# Altium PCB PCB1.PcbDoc (part 3 of 5) (continued)
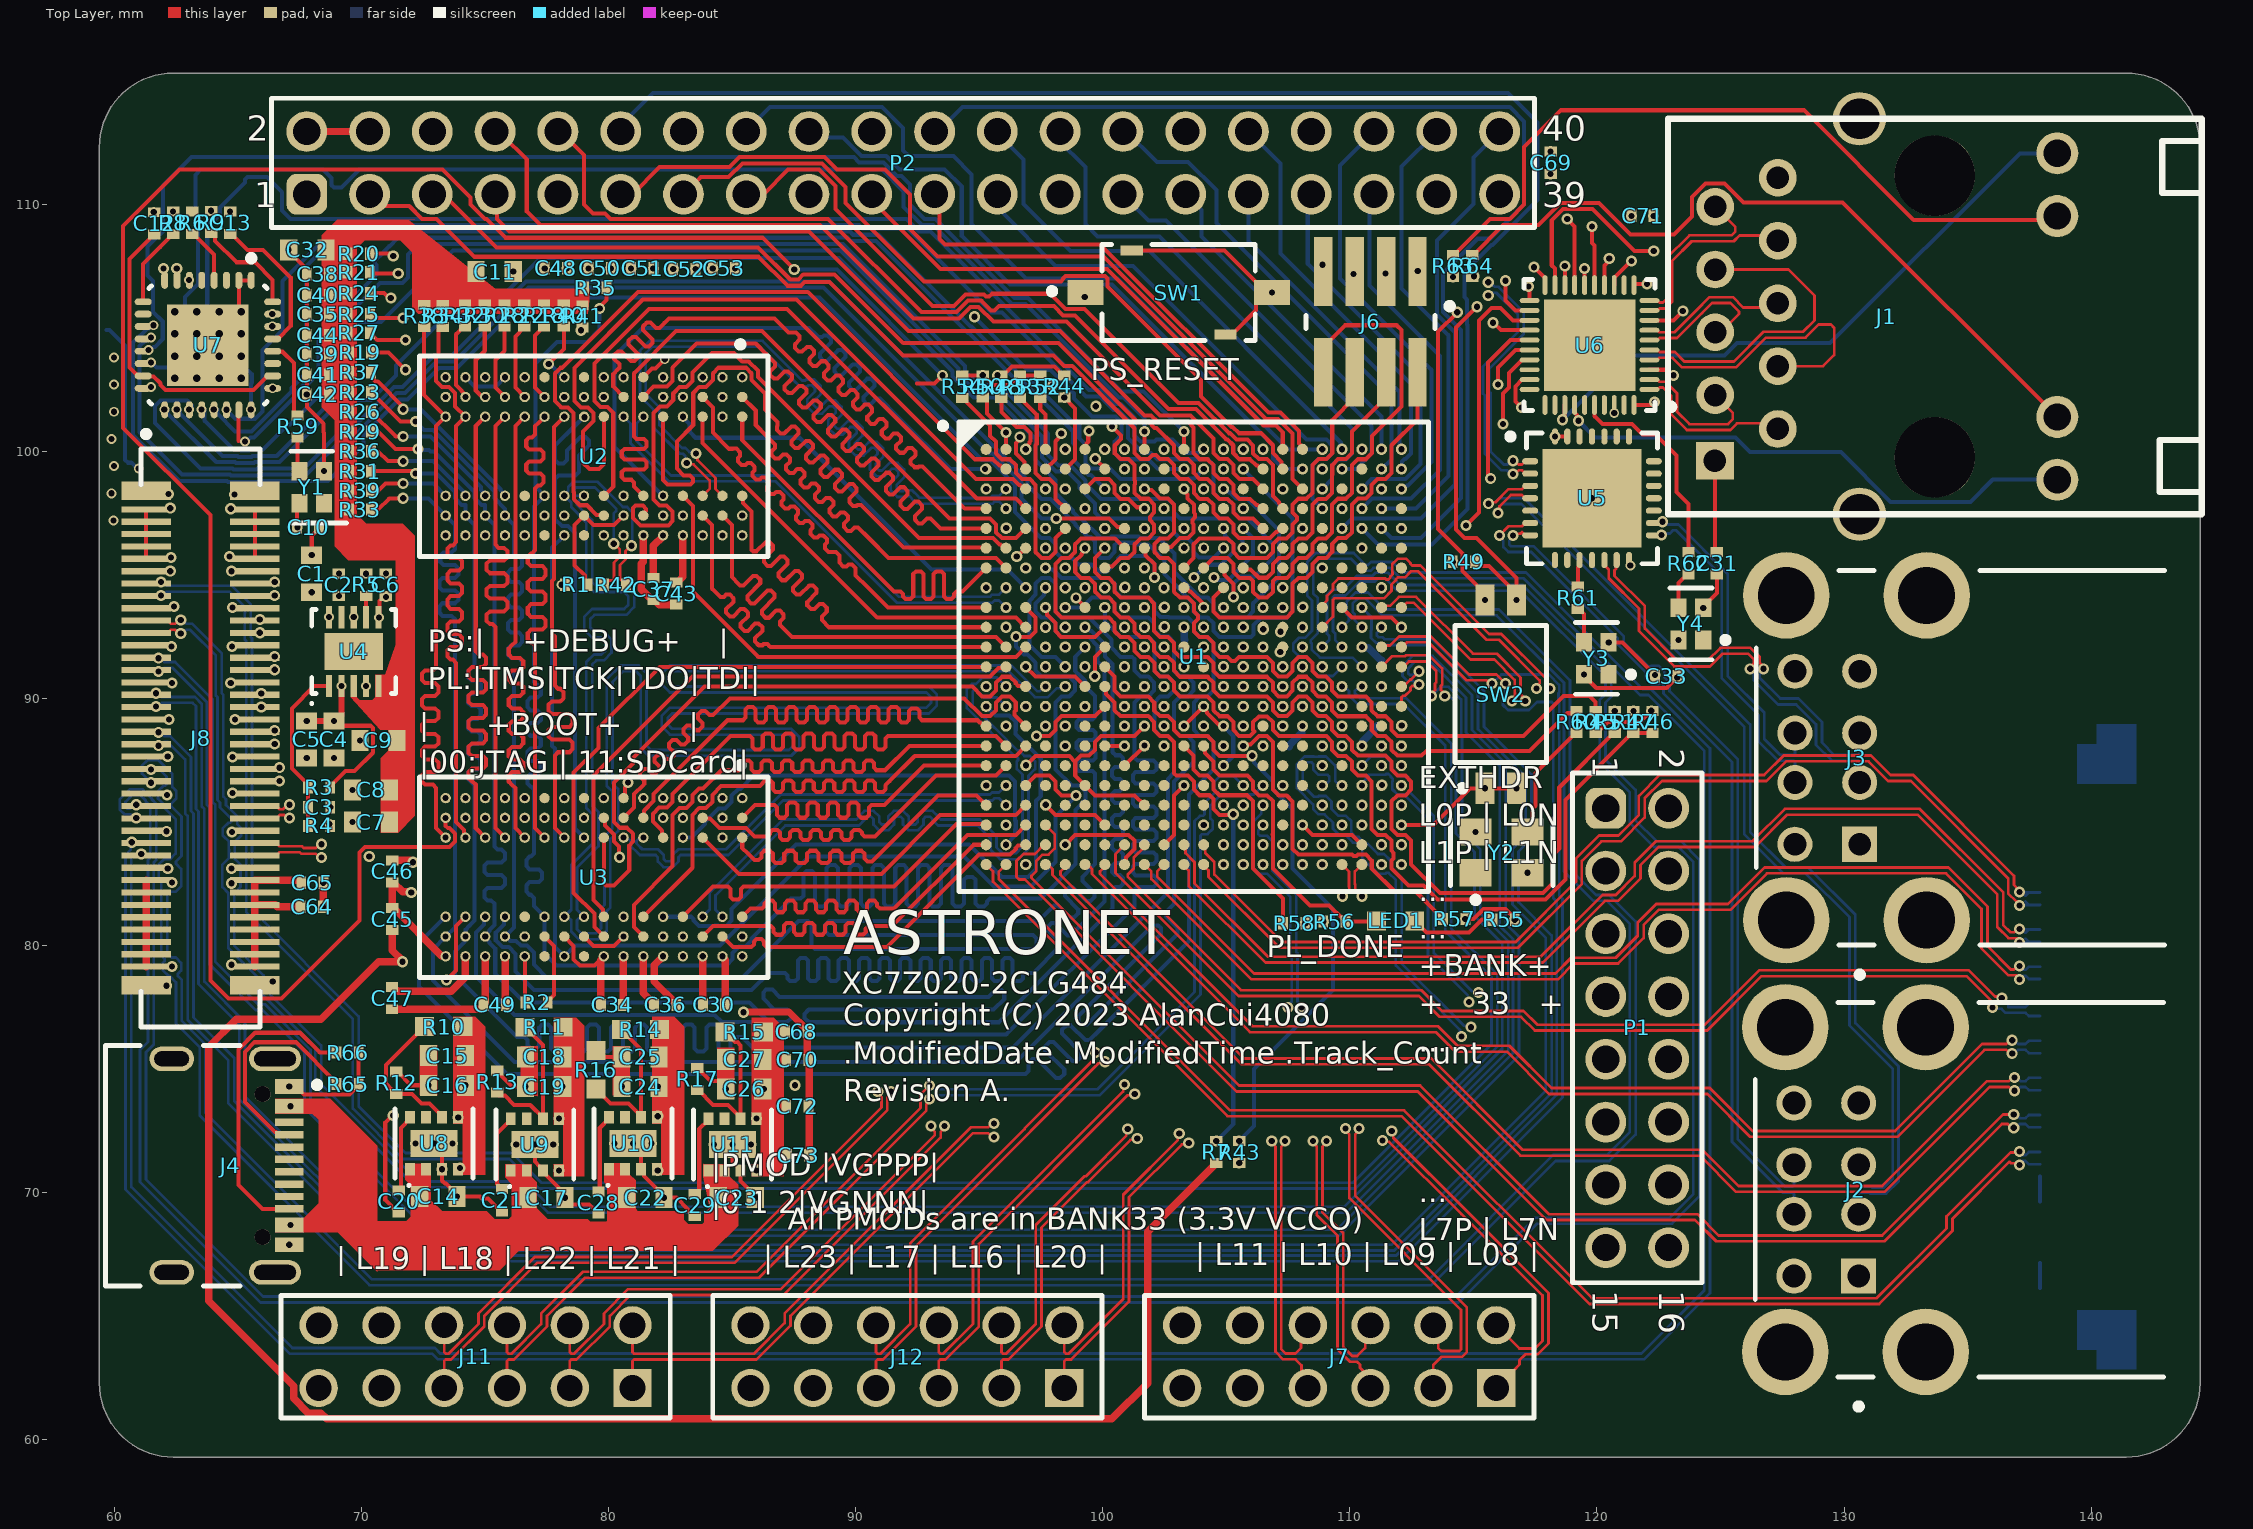
[diagram p0: Top Layer view]
## Nets (pads, with @x,y where several pads share a name; then routed paths per layer and width w, separated by ;. In a path a pad name is that pad's centre, name@x,y a point inside that pad or via, vN(x,y) a via of type N, cw(c..) or ccw(c..) an arc to the next point about the centre after c; other vN are vias at no path point) (continued)
DDR_DQ7: U1.D3 U2.H7 | length 27.7
  Top Layer w0.164: U2.H7@79.818,98.2 80.2,98.582 80.2,101.558 79.958,101.8 79.678,101.8 79.436,102.042 79.436,103.545 81.647,105.756 87.235,105.756 94.907,98.084 96.485,98.084 U1.D3@96.888,97.681
DDR_DQ8: U1.L3 U2.D7 | length 18.8
  Top Layer w0.164: U2.D7@83.018,98.2 83.425,97.793 83.425,94.326 86.067,91.684 96.491,91.684 U1.L3@96.888,92.081
DDR_DQ9: U1.K3 U2.C3 | length 17.2
  Top Layer w0.164: U2.C3@83.818,101.4 83.818,100.34 85.576,98.582 90.88,93.278 96.491,93.278 U1.K3@96.888,92.881
DDR_DQ10: U1.L1 U2.C8 | length 18
  Top Layer w0.164: U2.C8@83.818,97.4 84.2,97.018 84.2,94.44 84.473,94.167 84.531,94.109 84.677,94.109 84.768,94.2 84.914,94.2 85.061,94.054 85.061,93.908 84.769,93.617 84.769,93.47 84.916,93.324 85.062,93.324 85.353,93.615 85.5,93.615 85.646,93.469 85.646,93.323 85.355,93.031 85.355,92.885 85.501,92.739 85.647,92.739 85.939,93.03 86.085,93.03 86.231,92.884 86.231,92.737 85.94,92.446 85.94,92.3 86.086,92.153 86.233,92.153 86.286,92.207 86.433,92.207 86.508,92.132 86.559,92.081 U1.L1@95.288,92.081
DDR_DQ11: U1.J1 U2.C2 | length 18.8
  Top Layer w0.164: U2.C2@83.818,102.2 84.236,101.782 84.236,100.754 84.829,100.161 84.887,100.103 85.033,100.103 85.038,100.108 85.184,100.108 85.33,99.961 85.33,99.815 85.249,99.733 85.249,99.587 85.395,99.44 85.541,99.44 85.623,99.522 85.769,99.522 85.916,99.376 85.916,99.23 85.834,99.148 85.834,99.002 85.98,98.855 86.126,98.855 86.208,98.937 86.355,98.937 86.501,98.791 86.501,98.644 86.419,98.563 86.419,98.416 86.565,98.27 86.712,98.27 86.794,98.352 86.94,98.352 87.086,98.205 87.086,98.059 87.004,97.977 87.004,97.831 87.151,97.685 87.297,97.685 87.379,97.767 87.525,97.767 87.672,97.62 87.672,97.474 87.59,97.392 87.59,97.246 87.736,97.099 87.882,97.099 87.964,97.181 88.11,97.181 88.257,97.035 88.257,96.889 88.175,96.807 88.175,96.66 88.321,96.514 88.468,96.514 88.549,96.596 88.696,96.596 88.842,96.45 88.842,96.303 88.76,96.221 88.76,96.075 88.906,95.929 89.053,95.929 89.057,95.934 89.204,95.934 89.35,95.787 89.35,95.641 ; 89.35,95.64 89.35,95.494 89.496,95.348 89.642,95.348 89.715,95.421 89.862,95.421 90.008,95.275 90.008,95.128 90.008,94.982 90.48,94.51 91.309,93.681 U1.J1@95.288,93.681
DDR_DQ12: U1.K1 U2.A7 | length 18.8
  Top Layer w0.164: U2.A7@85.418,98.2 85.446,98.172 85.446,97.912 85.8,97.558 85.8,96.015 85.858,95.957 86.004,95.957 86.374,96.327 86.52,96.327 86.667,96.181 86.667,96.034 86.293,95.661 86.293,95.515 86.44,95.369 86.586,95.369 86.959,95.742 87.106,95.742 87.252,95.595 87.252,95.449 86.879,95.076 86.879,94.93 87.025,94.783 87.171,94.783 87.545,95.156 87.691,95.156 87.837,95.01 87.837,94.864 87.464,94.491 87.464,94.344 87.61,94.198 87.757,94.198 88.13,94.571 88.276,94.571 88.422,94.425 88.422,94.279 88.049,93.905 88.049,93.759 88.196,93.613 88.342,93.613 88.545,93.816 88.692,93.816 88.838,93.67 88.838,93.524 88.638,93.323 88.638,93.177 88.934,92.881 88.965,92.881 U1.K1@95.272,92.881
DDR_DQ13: U1.G2 U2.A2 | length 17.5
  Top Layer w0.164: U2.A2@85.418,102.2 85.965,101.653 85.965,101.057 86.389,100.633 86.74,100.282 86.74,100.136 86.606,100.003 86.606,99.857 86.753,99.71 86.899,99.71 87.058,99.87 87.205,99.87 87.351,99.723 87.351,99.577 87.192,99.418 87.192,99.271 87.338,99.125 87.484,99.125 87.644,99.284 87.79,99.284 87.936,99.138 87.936,98.992 87.777,98.832 87.777,98.686 87.923,98.54 88.069,98.54 88.229,98.699 88.375,98.699 88.522,98.553 88.522,98.407 88.362,98.247 88.362,98.101 88.508,97.954 88.655,97.954 88.814,98.114 88.961,98.114 89.107,97.968 89.107,97.821 88.947,97.662 88.947,97.516 89.094,97.369 89.24,97.369 89.399,97.529 89.546,97.529 89.692,97.382 89.692,97.236 89.533,97.077 89.533,96.93 89.679,96.784 89.825,96.784 89.959,96.917 90.105,96.917 90.516,96.506 91.338,95.684 95.685,95.684 U1.G2@96.088,95.281
DDR_DQ14: U1.L2 U2.B8 | length 18.8
  Top Layer w0.164: U2.B8@84.618,97.4 85,97.018 85,94.91 85.273,94.637 85.331,94.579 85.478,94.579 85.854,94.955 86.001,94.955 86.147,94.809 86.147,94.662 85.629,94.144 85.629,93.998 85.775,93.852 85.921,93.852 86.439,94.37 86.586,94.37 86.732,94.223 86.732,94.077 86.214,93.559 86.214,93.413 86.36,93.266 86.507,93.266 86.793,93.553 86.94,93.553 87.086,93.407 87.086,93.26 86.941,93.115 86.941,92.969 87.426,92.484 87.531,92.484 95.685,92.484 U1.L2@96.088,92.081
DDR_DQ15: U1.G1 U2.A3 | length 18.1
  Top Layer w0.164: U2.A3@85.418,101.4 85.418,100.461 91.553,94.326 91.678,94.326 91.819,94.326 91.923,94.223 91.923,94.12 92.026,94.017 92.233,94.017 92.337,94.12 92.337,95.034 92.44,95.137 92.647,95.137 92.751,95.034 92.751,94.12 92.854,94.017 93.061,94.017 93.164,94.12 93.164,95.034 93.268,95.137 93.475,95.137 93.578,95.034 93.578,94.12 93.682,94.017 93.889,94.017 93.992,94.12 93.992,94.223 94.096,94.326 94.178,94.326 94.333,94.326 U1.G1@95.288,95.281
DDR_DQ16: U1.T2 U3.E3 | length 24.3
  Top Layer w0.164: U3.E3@82.218,84.369 82.181,84.406 82.181,84.648 81.8,85.029 81.8,85.335 82.052,85.587 82.376,85.587 82.6,85.811 82.6,86.135 84.943,88.478 85.234,88.478 85.73,88.478 85.834,88.375 85.834,88.033 85.937,87.93 86.144,87.93 86.247,88.033 86.247,88.481 86.351,88.584 86.558,88.584 86.661,88.481 86.661,88.033 86.765,87.93 86.972,87.93 87.075,88.033 87.075,88.481 87.179,88.584 87.386,88.584 87.489,88.481 87.489,88.033 87.592,87.93 87.799,87.93 87.903,88.033 87.903,88.481 88.006,88.584 88.213,88.584 88.317,88.481 88.317,88.033 88.42,87.93 88.627,87.93 88.731,88.033 88.731,88.481 88.834,88.584 89.041,88.584 89.144,88.481 89.144,88.033 89.248,87.93 89.455,87.93 89.558,88.033 89.558,88.481 89.662,88.584 89.869,88.584 89.972,88.481 89.972,88.033 90.076,87.93 90.282,87.93 90.386,88.033 90.386,88.481 90.489,88.584 90.696,88.584 90.8,88.481 90.8,88.033 90.903,87.93 91.11,87.93 91.214,88.033 91.214,88.375 91.317,88.478 91.659,88.478 95.691,88.478 U1.T2@96.088,88.081
DDR_DQ17: U1.T3 U3.F7 | length 23.7
  Top Layer w0.164: U3.F7@81.418,81.169 83.4,83.151 83.4,85.291 83.678,85.569 83.958,85.569 84.209,85.82 84.209,86.1 84.561,86.452 86.058,86.452 86.14,86.452 86.243,86.555 86.243,86.577 86.347,86.681 86.553,86.681 86.657,86.577 86.657,86.327 86.76,86.223 86.967,86.223 87.071,86.327 87.071,86.577 87.174,86.681 87.381,86.681 87.485,86.577 87.485,86.327 87.588,86.223 87.795,86.223 87.898,86.327 87.898,86.577 88.002,86.681 88.209,86.681 88.312,86.577 88.312,86.327 88.416,86.223 88.623,86.223 88.726,86.327 88.726,86.577 88.83,86.681 89.037,86.681 89.14,86.577 89.14,86.327 89.243,86.223 89.45,86.223 89.554,86.327 89.554,86.577 89.657,86.681 89.864,86.681 89.968,86.577 89.968,86.327 90.071,86.223 90.278,86.223 90.382,86.327 90.382,86.577 90.485,86.681 90.692,86.681 90.795,86.577 90.795,86.327 90.899,86.223 91.106,86.223 91.209,86.327 91.209,86.489 91.392,86.672 92.398,87.678 96.485,87.678 U1.T3@96.888,88.081
DDR_DQ18: U1.R1 U3.F2 | length 24.6
  Top Layer w0.164: U3.F2@81.418,85.169 81.446,85.197 81.446,85.457 81.836,85.847 81.836,86.127 84.828,89.119 85.362,89.119 85.444,89.119 85.548,89.222 85.548,89.552 85.651,89.655 85.858,89.655 85.961,89.552 85.961,89.14 86.065,89.036 86.272,89.036 86.375,89.14 86.375,89.552 86.479,89.655 86.686,89.655 86.789,89.552 86.789,89.14 86.893,89.036 87.099,89.036 87.203,89.14 87.203,89.552 87.306,89.655 87.513,89.655 87.617,89.552 87.617,89.14 87.72,89.036 87.927,89.036 88.031,89.14 88.031,89.552 88.134,89.655 88.341,89.655 88.444,89.552 88.444,89.14 88.548,89.036 88.755,89.036 88.858,89.14 88.858,89.552 88.962,89.655 89.169,89.655 89.272,89.552 89.272,89.14 89.376,89.036 89.583,89.036 89.686,89.14 89.686,89.552 89.789,89.655 89.996,89.655 90.1,89.552 90.1,89.14 90.203,89.036 90.41,89.036 90.514,89.14 90.514,89.552 90.617,89.655 90.824,89.655 90.928,89.552 90.928,89.14 91.031,89.036 91.238,89.036 91.341,89.14 91.341,89.552 91.445,89.655 91.652,89.655 91.755,89.552 91.755,89.14 91.859,89.036 92.066,89.036 92.169,89.14 92.169,89.492 92.273,89.595 92.48,89.595 92.583,89.492 92.583,89.222 92.686,89.119 94.633,89.119 94.93,89.119 95.018,89.03 95.061,89.03 95.211,88.881 U1.R1@95.288,88.881
DDR_DQ19: U1.T1 U3.F8 | length 24.4
  Top Layer w0.164: U3.F8@81.418,80.369 81.036,80.751 81.036,81.65 82.6,83.214 82.6,85.291 82.878,85.569 83.158,85.569 83.409,85.82 83.409,86.1 83.66,86.351 83.832,86.351 84.577,87.096 85.188,87.096 85.269,87.096 85.373,87.199 85.373,87.391 85.476,87.495 85.683,87.495 85.787,87.391 85.787,87.131 85.89,87.028 86.097,87.028 86.201,87.131 86.201,87.391 86.304,87.495 86.511,87.495 86.614,87.391 86.614,87.131 86.718,87.028 86.925,87.028 87.028,87.131 87.028,87.391 87.132,87.495 87.339,87.495 87.442,87.391 87.442,87.131 87.546,87.028 87.753,87.028 87.856,87.131 87.856,87.391 87.959,87.495 88.166,87.495 88.27,87.391 88.27,87.131 88.373,87.028 88.58,87.028 88.684,87.131 88.684,87.391 88.787,87.495 88.994,87.495 89.098,87.391 89.098,87.131 89.201,87.028 89.408,87.028 89.511,87.131 89.511,87.391 89.615,87.495 89.822,87.495 89.925,87.391 89.925,87.131 90.029,87.028 90.236,87.028 90.339,87.131 90.339,87.391 90.443,87.495 90.65,87.495 90.753,87.391 90.753,87.199 90.856,87.096 91.157,87.096 91.203,87.096 92.188,88.081 U1.T1@95.288,88.081
DDR_DQ20: U1.N3 U3.H3 | length 26.5
  Top Layer w0.164: U3.H3@79.818,84.369 79.818,82.535 79.914,82.439 80.23,82.439 80.847,83.056 80.847,84.058 81,84.211 81,84.527 80.758,84.769 80.478,84.769 80.236,85.011 80.236,86.597 81,87.361 81,87.583 83.898,90.481 94.727,90.481 95.124,90.084 95.452,90.084 95.688,90.32 95.688,90.643 95.924,90.878 96.252,90.878 96.485,90.646 96.485,90.608 96.581,90.512 96.857,90.512 U1.N3@96.888,90.481
DDR_DQ21: U1.M1 U3.H8 | length 26.1
  Top Layer w0.164: U3.H8@79.818,80.369 79.436,80.751 79.436,81.297 78.599,82.134 78.599,84.21 78.6,84.211 78.6,86.127 78.599,86.128 78.599,86.999 79.6,88 79.6,88.8 82.081,91.281 U1.M1@95.288,91.281
DDR_DQ22: U1.R3 U3.G2 | length 23.7
  Top Layer w0.164: U3.G2@80.618,85.169 81.036,85.587 81.036,86.127 81.395,86.486 81.453,86.544 81.453,86.69 81.288,86.855 81.288,87.002 81.435,87.148 81.581,87.148 81.77,86.959 81.916,86.959 82.062,87.105 82.062,87.251 81.873,87.44 81.873,87.587 82.02,87.733 82.166,87.733 82.355,87.544 82.501,87.544 82.648,87.69 82.648,87.837 82.459,88.026 82.459,88.172 82.605,88.318 82.751,88.318 82.94,88.129 83.087,88.129 83.233,88.276 83.233,88.422 83.044,88.611 83.044,88.757 83.19,88.904 83.337,88.904 83.526,88.715 83.672,88.715 83.818,88.861 83.818,89.007 83.629,89.196 83.629,89.343 83.776,89.489 83.922,89.489 84.087,89.324 84.233,89.324 84.876,89.967 84.917,90.008 94.4,90.008 95.124,89.284 95.452,89.284 95.688,89.52 95.688,89.843 95.924,90.078 96.252,90.078 96.485,89.846 96.485,89.517 96.437,89.468 96.437,89.333 U1.R3@96.888,88.881
DDR_DQ23: U1.M2 U3.H7 | length 24.4
  Top Layer w0.164: U3.H7@79.818,81.169 79.787,81.2 79.787,81.454 79.4,81.841 79.4,86.891 83.406,90.897 95.111,90.897 95.124,90.884 95.452,90.884 95.795,91.226 96.033,91.226 U1.M2@96.088,91.281
DDR_DQ24: U1.Y1 U3.D7 | length 14.6
  Top Layer w0.164: U3.D7@83.018,81.169 84.237,82.388 84.35,82.388 84.846,82.388 84.949,82.285 84.949,81.97 85.053,81.867 85.26,81.867 85.363,81.97 85.363,82.285 85.467,82.388 85.85,82.388 91.553,82.388 94.093,84.928 U1.Y1@95.288,84.928
DDR_DQ25: U1.W3 U3.C3 | length 14.8
  Top Layer w0.164: U3.C3@83.818,84.369 85.291,82.896 91.045,82.896 93.427,85.278 96.485,85.278 U1.W3@96.888,85.681
DDR_DQ26: U1.AA1 U3.C8 | length 16.3
  Top Layer w0.164: U3.C8@83.818,80.369 84.236,80.787 86.092,80.787 86.588,80.787 86.691,80.684 86.691,80.543 86.795,80.44 87.002,80.44 87.105,80.543 87.105,80.808 87.209,80.911 87.415,80.911 87.519,80.808 87.519,80.543 87.622,80.44 87.829,80.44 87.933,80.543 87.933,80.808 88.036,80.911 88.243,80.911 88.347,80.808 88.347,80.543 88.45,80.44 88.657,80.44 88.76,80.543 88.76,80.808 88.864,80.911 89.071,80.911 89.174,80.808 89.174,80.543 89.278,80.44 89.485,80.44 89.588,80.543 89.588,80.808 89.692,80.911 89.899,80.911 90.002,80.808 90.002,80.543 90.105,80.44 90.312,80.44 90.416,80.543 90.416,80.684 90.519,80.787 90.918,80.787 91.476,80.787 94.77,84.081 U1.AA1@95.288,84.081
DDR_DQ27: U1.U2 U3.C2 | length 16.2
  Top Layer w0.164: U3.C2@83.818,85.169 83.846,85.141 84.106,85.141 84.496,84.751 85.576,84.751 85.907,84.42 86.346,84.42 86.428,84.42 86.531,84.523 86.531,84.571 86.635,84.674 86.842,84.674 86.945,84.571 86.945,84.385 87.049,84.281 87.256,84.281 87.359,84.385 87.359,84.571 87.463,84.674 87.669,84.674 87.773,84.571 87.773,84.385 87.876,84.281 88.083,84.281 88.187,84.385 88.187,84.571 88.29,84.674 88.497,84.674 88.601,84.571 88.601,84.385 88.704,84.281 88.911,84.281 89.014,84.385 89.014,84.571 89.118,84.674 89.325,84.674 89.428,84.571 89.428,84.385 89.532,84.281 89.739,84.281 89.842,84.385 89.842,84.571 89.946,84.674 90.153,84.674 90.256,84.571 90.256,84.523 90.359,84.42 90.791,84.42 93.249,86.878 95.685,86.878 U1.U2@96.088,87.281
DDR_DQ28: U1.Y3 U3.A7 | length 16.9
  Top Layer w0.164: U3.A7@85.418,81.169 85.748,81.499 86.142,81.499 86.224,81.499 86.327,81.602 86.327,81.714 86.431,81.817 86.638,81.817 86.741,81.714 86.741,81.454 86.845,81.35 87.052,81.35 87.155,81.454 87.155,81.714 87.259,81.817 87.465,81.817 87.569,81.714 87.569,81.454 87.672,81.35 87.879,81.35 87.983,81.454 87.983,81.714 88.086,81.817 88.293,81.817 88.397,81.714 88.397,81.454 88.5,81.35 88.707,81.35 88.81,81.454 88.81,81.714 88.914,81.817 89.121,81.817 89.224,81.714 89.224,81.454 89.328,81.35 89.535,81.35 89.638,81.454 89.638,81.714 89.742,81.817 89.949,81.817 90.052,81.714 90.052,81.454 90.155,81.35 90.362,81.35 90.466,81.454 90.466,81.714 90.569,81.817 90.776,81.817 90.88,81.714 90.88,81.602 90.983,81.499 91.553,81.499 91.795,81.741 94.533,84.479 96.486,84.479 U1.Y3@96.888,84.881
DDR_DQ29: U1.U1 U3.A2 | length 15.5
  Top Layer w0.164: U3.A2@85.418,85.169 85.939,85.69 86.219,85.69 86.715,85.69 86.818,85.587 86.818,85.278 86.922,85.175 87.129,85.175 87.232,85.278 87.232,85.69 87.336,85.793 87.542,85.793 87.646,85.69 87.646,85.278 87.749,85.175 87.956,85.175 88.06,85.278 88.06,85.69 88.163,85.793 88.37,85.793 88.474,85.69 88.474,85.278 88.577,85.175 88.784,85.175 88.887,85.278 88.887,85.69 88.991,85.793 89.198,85.793 89.301,85.69 89.301,85.278 89.405,85.175 89.612,85.175 89.715,85.278 89.715,85.69 89.819,85.793 90.026,85.793 90.129,85.69 90.129,85.278 90.232,85.175 90.439,85.175 90.543,85.278 90.543,85.587 90.646,85.69 91.172,85.69 92.763,87.281 U1.U1@95.288,87.281
DDR_DQ30: U1.AA3 U3.B8 | length 14.6
  Top Layer w0.164: U3.B8@84.618,80.369 85.036,79.951 85.7,79.951 85.782,79.951 85.885,80.054 85.885,80.157 85.989,80.26 86.196,80.26 86.299,80.157 86.299,80.054 86.403,79.951 86.6,79.951 91.275,79.951 95.005,83.681 96.249,83.681 96.485,83.917 96.485,83.954 96.581,84.05 96.857,84.05 U1.AA3@96.888,84.081
DDR_DQ31: U1.W1 U3.A3 | length 15.2
  Top Layer w0.164: U3.A3@85.418,84.369 85.418,83.951 85.648,83.721 85.911,83.458 86.075,83.458 86.191,83.574 86.191,83.722 86.307,83.838 86.539,83.838 86.655,83.722 86.655,83.45 86.771,83.334 87.003,83.334 87.119,83.45 87.119,83.722 87.235,83.838 87.467,83.838 87.583,83.722 87.583,83.45 87.699,83.334 87.931,83.334 88.047,83.45 88.047,83.722 88.163,83.838 88.394,83.838 88.51,83.722 88.51,83.45 88.626,83.334 88.858,83.334 88.974,83.45 88.974,83.722 89.09,83.838 89.322,83.838 89.438,83.722 89.438,83.45 89.554,83.334 89.786,83.334 89.902,83.45 89.902,83.722 90.018,83.838 90.25,83.838 90.366,83.722 90.366,83.52 90.482,83.404 90.664,83.404 90.912,83.652 93.331,86.071 94.898,86.071 U1.W1@95.288,85.681
DDR_DQS0_N: U1.D2 U2.B7 | length 30.2
  Top Layer w0.11: v1(83.552,99.914) 83.611,99.855 83.611,99.641 84.336,98.915 84.336,98.482 U2.B7@84.618,98.2
  Bottom Layer w0.11: v1(83.552,99.914) 83.493,99.973 83.279,99.973 83.114,100.138 82.987,100.138 82.066,101.059 82.066,101.781 81.52,102.327 81.52,103.978 81.774,104.232 86.138,104.232 87.583,102.787 87.671,102.699 87.74,102.63 88.064,102.63 88.106,102.672 88.233,102.672 88.361,102.545 88.361,102.418 88.053,102.111 88.053,101.787 88.319,101.522 88.642,101.522 88.95,101.829 89.077,101.829 89.204,101.702 89.204,101.575 88.897,101.267 88.897,100.944 89.163,100.678 89.486,100.678 89.793,100.985 89.92,100.985 90.048,100.858 90.048,100.731 89.74,100.424 89.74,100.1 90.006,99.835 90.329,99.835 90.637,100.142 90.764,100.142 90.891,100.015 90.891,99.887 90.584,99.58 90.584,99.257 90.85,98.991 91.173,98.991 91.48,99.298 91.607,99.298 91.735,99.171 91.735,99.044 91.427,98.737 91.427,98.413 91.693,98.147 92.017,98.147 92.056,98.187 92.183,98.187 92.354,98.016 92.442,97.928 92.488,97.882 92.633,97.882 92.731,97.882 94.053,97.882 94.061,97.875 95.539,97.875 95.628,97.963 95.806,97.963 v2(96.088,97.681)
DDR_DQS0_P: U1.C2 U2.C7 | length 30.6
  Top Layer w0.11: v1(83.17,99.532) 83.229,99.474 83.443,99.474 84.1,98.817 84.1,98.482 U2.C7@83.818,98.2
  Bottom Layer w0.11: v1(83.17,99.532) 83.112,99.591 83.112,99.805 83.016,99.901 82.889,99.901 81.829,100.961 81.829,101.683 81.283,102.229 81.283,104.076 81.676,104.469 86.236,104.469 87.751,102.954 87.838,102.867 87.966,102.867 88.008,102.909 88.331,102.909 88.597,102.643 88.597,102.32 88.29,102.013 88.29,101.886 88.417,101.758 88.544,101.758 88.852,102.066 89.175,102.066 89.441,101.8 89.441,101.476 89.134,101.169 89.134,101.042 89.261,100.915 89.388,100.915 89.695,101.222 90.018,101.222 90.284,100.956 90.284,100.633 89.977,100.326 89.977,100.198 90.104,100.071 90.231,100.071 90.539,100.379 90.862,100.379 91.128,100.113 91.128,99.789 90.821,99.482 90.821,99.355 90.948,99.228 91.075,99.228 91.382,99.535 91.706,99.535 91.971,99.269 91.971,98.946 91.664,98.639 91.664,98.511 91.791,98.384 91.918,98.384 91.958,98.424 92.281,98.424 92.522,98.183 92.586,98.119 92.633,98.119 94.152,98.119 94.159,98.111 95.441,98.111 95.529,98.2 95.806,98.2 v2(96.088,98.481)
DDR_DQS1_N: U1.J2 U2.G3 | length 19.2
  Bottom Layer w0.11: v2(80.618,101.4) 80.9,101.118 80.9,100.327 82.438,98.788 86.756,98.788 91.67,93.875 95.539,93.875 95.628,93.963 95.806,93.963 v1(96.088,93.681)
DDR_DQS1_P: U1.H2 U2.F3 | length 18.8
  Bottom Layer w0.11: v2(81.418,101.4) 81.136,101.118 81.136,100.425 82.536,99.025 86.854,99.025 91.768,94.111 95.441,94.111 95.529,94.2 95.806,94.2 v1(96.088,94.481)
DDR_DQS2_N: U1.P2 U3.B7 | length 26.9
  Bottom Layer w0.11: v2(84.618,81.169) 84.336,81.451 84.336,82.036 87.163,84.863 89.916,84.863 90.138,84.863 90.367,85.092 90.367,85.126 90.457,85.216 90.637,85.216 90.727,85.126 90.727,84.896 90.955,84.668 91.331,84.668 91.56,84.896 91.56,85.126 91.65,85.216 91.83,85.216 91.92,85.126 91.92,84.896 92.148,84.668 92.524,84.668 92.753,84.896 92.753,85.126 92.843,85.216 93.023,85.216 93.112,85.126 93.112,85.092 93.341,84.863 94.532,84.863 94.941,84.863 95.468,84.336 95.468,83.878 95.847,83.5 96.583,83.5 96.997,83.913 96.997,86.874 97.27,87.147 97.27,87.453 97.053,87.67 96.834,87.67 96.611,87.892 96.554,87.892 94.741,89.706 94.741,90.286 94.805,90.35 94.896,90.35 95.203,90.044 95.726,90.044 v2(96.088,89.681)
DDR_DQS2_P: U1.N2 U3.C7 | length 27
  Bottom Layer w0.11: v2(83.818,81.169) 84.1,81.451 84.1,82.134 87.065,85.1 89.916,85.1 90.04,85.1 90.13,85.19 90.13,85.224 90.359,85.453 90.735,85.453 90.963,85.224 90.963,84.994 91.053,84.904 91.233,84.904 91.323,84.994 91.323,85.224 91.552,85.453 91.928,85.453 92.156,85.224 92.156,84.994 92.246,84.904 92.426,84.904 92.516,84.994 92.516,85.224 92.745,85.453 93.121,85.453 93.349,85.224 93.349,85.19 93.439,85.1 94.532,85.1 95.039,85.1 95.705,84.434 95.705,83.976 95.945,83.736 96.485,83.736 96.76,84.011 96.76,86.917 96.53,87.147 96.53,87.453 96.577,87.5 96.577,87.591 96.513,87.656 96.456,87.656 94.504,89.608 94.504,90.384 94.707,90.587 94.871,90.587 95.135,90.851 95.718,90.851 v2(96.088,90.481)
DDR_DQS3_N: U1.W2 U3.G3 | length 17.5
  Bottom Layer w0.11: v2(80.618,84.369) 80.674,84.313 80.812,84.313 80.9,84.226 80.9,84.037 81.195,83.742 81.273,83.663 81.916,83.663 82.005,83.573 82.005,83.404 82.234,83.176 82.61,83.176 82.839,83.404 82.839,83.573 82.929,83.663 83.194,83.663 84.863,83.663 87.075,85.875 95.539,85.875 95.628,85.963 95.806,85.963 v2(96.088,85.681)
DDR_DQS3_P: U1.V2 U3.F3 | length 17.2
  Bottom Layer w0.11: v2(81.418,84.369) 81.362,84.313 81.224,84.313 81.136,84.226 81.136,84.135 81.195,84.077 81.371,83.9 82.014,83.9 82.242,83.671 82.242,83.502 82.332,83.413 82.512,83.413 82.602,83.502 82.602,83.671 82.831,83.9 83.194,83.9 84.765,83.9 86.977,86.111 95.441,86.111 95.529,86.2 95.806,86.2 v2(96.088,86.481)
DDR_ODT: R40.2 U1.P5 U2.K1 U3.K1 | length 75.2
  Top Layer w0.164: v1(77.586,103.527) 78.2,104.14 R40.2@78.2,105.05
  Layer 4 w0.13: v2@78.218,103.072 77.773,102.628 77.773,97.253 77.745,97.225 77.745,86.442 v2(78.218,85.969) 78.7,86.451 78.7,95 79.5,95.8 79.7,95.8 79.768,95.8 79.9,95.668 79.9,95.665 79.9,95.034 80.035,94.899 91.1,94.899 91.235,95.034 91.235,95.215 91.1,95.35 80.486,95.35 80.351,95.485 80.351,95.665 80.486,95.8 91.3,95.8 91.8,95.8 97.499,90.101 98.068,90.101 v1(98.488,89.681)
  Bottom Layer w0.164: v1(77.586,103.527) 77.639,103.527 78.166,103 v2(78.218,103) ; v2(78.218,85.969) v2@78.218,86.033
DDR_RAS: R19.2 U1.R5 U2.J3 U3.J3 | length 87.3
  Top Layer w0.164: R19.2@70.4,104 71.1,104 v1(71.8,103.3)
  Layer 4 w0.13: v2(79.018,84.369) 79.4,84.751 79.4,93.9 79.9,94.4 80.5,94.4 80.568,94.4 80.7,94.268 80.7,94.265 80.7,93.634 80.835,93.499 92.024,93.499 92.159,93.634 92.159,93.815 92.024,93.95 81.286,93.95 81.151,94.085 81.151,94.265 81.286,94.4 92.3,94.4 92.707,94.4 97.268,89.839 97.268,89.563 97.531,89.301 98.068,89.301 v1(98.488,88.881)
  SIG_PWR w0.164: v1(71.8,103.3) 71.8,102.492 73.264,101.028 78.687,101.028 v2(79.036,101.377)
  Bottom Layer w0.164: v2(79.018,84.369) 78.644,84.743 78.644,96.7 78.371,96.973 78.119,96.973 77.846,97.246 77.846,98.8 77.846,98.885 77.988,99.027 77.991,99.027 78.669,99.027 78.814,99.172 78.814,99.827 79.217,100.23 79.217,100.436 79.08,100.572 78.875,100.572 78.33,100.028 78.33,99.656 78.185,99.511 77.991,99.511 77.846,99.656 77.846,100.228 78.693,101.075 78.995,101.377 v2(79.036,101.377)
DDR_RESET: U1.F3 U2.T2 U3.T2 | length 113.3
  Top Layer w0.164: v2(73.418,85.169) 73.413,85.164 73.413,84.847 73.509,84.751 73.576,84.751 73.8,84.527 73.8,84.211 73.576,83.987 71.873,83.987 71.863,83.997 70.161,83.997 69.928,83.764 69.928,81.01 66.771,77.853 64.629,77.853 63.9,78.582 63.9,97.418 60.372,100.946 60.372,109.115 62.654,111.397 73.293,111.397 74.423,110.267 74.423,109.987 75.007,109.403 75.073,109.403 75.835,108.642 86.233,108.642 v1(87.525,107.35) ; 92.491,102.75 93.2,102.75 v1(93.525,103.075) ; v1(96.525,95.75) 96.541,95.75 96.872,96.081 U1.F3@96.888,96.081
  Layer 4 w0.13: v2(73.418,85.169) 73.063,85.524 73.063,101.845 v2(73.418,102.2)
  Layer 4 w0.164: v1(93.525,103.075) 94.45,102.15 94.45,98.758 95.911,97.297 96.264,97.297 96.497,97.064 96.497,96.654 96.264,96.421 96.264,96.011 v1(96.525,95.75)
  Bottom Layer w0.164: v1(87.525,107.35) 89.25,107.35 v1(93.525,103.075)
DDR_WE: R21.2 U1.R4 U2.L3 U3.L3 | length 86
  Top Layer w0.164: R21.2@70.35,107.245 70.395,107.2 v1(71.5,107.2) ; v2(77.418,84.369) 77.036,84.751 77.036,92.062 77.036,92.144 76.908,92.272 76.869,92.272 76.741,92.401 76.741,92.658 76.869,92.786 77.331,92.786 77.459,92.915 77.459,93.172 77.331,93.3 76.869,93.3 76.741,93.428 76.741,93.685 76.869,93.814 77.331,93.814 77.459,93.942 77.459,94.199 77.331,94.328 76.869,94.328 76.741,94.456 76.741,94.713 76.869,94.842 77.331,94.842 77.459,94.97 77.459,95.227 77.331,95.355 76.869,95.355 76.741,95.484 76.741,95.741 76.869,95.869 76.908,95.869 77.036,95.998 77.036,96.317 77.036,97.929 77.036,98.495 77.157,98.616 77.256,98.616 77.377,98.737 77.377,98.979 77.256,99.1 76.8,99.1 76.679,99.221 76.679,99.463 76.8,99.584 77.256,99.584 77.377,99.705 77.377,99.947 77.256,100.068 76.8,100.068 76.679,100.189 76.679,100.431 76.8,100.552 76.915,100.552 77.036,100.673 77.036,101.018 77.171,101.153 v2(77.418,101.4)
  Layer 4 w0.13: v2(77.418,84.369) 77.491,84.369 77.716,84.144 77.726,84.144 77.786,84.085 77.786,84.001 78.129,83.658 79.995,83.658 80.322,83.985 80.736,83.985 81.063,84.312 81.063,86.116 81.18,86.233 81.18,86.757 80.9,87.038 80.9,90 81.9,91 81.968,91 82.1,90.868 82.1,90.865 82.1,90.234 82.235,90.099 93.9,90.099 94.035,90.234 94.035,90.415 93.9,90.55 82.686,90.55 82.551,90.685 82.551,90.865 82.686,91 94.1,91 94.7,91 94.908,90.792 94.908,90.324 95.131,90.101 95.499,90.101 95.643,89.957 95.643,89.624 95.966,89.301 97.219,89.301 97.639,88.881 v1(97.688,88.881)
  SIG_PWR w0.164: v1(71.5,107.2) 75.432,103.268 75.432,102.86 75.692,102.6 75.944,102.6 76.19,102.354 76.19,102.102 76.464,101.828 76.905,101.828 77.159,101.574 77.18,101.574 77.354,101.4 v2(77.418,101.4)
ETH_100M_LED: J1.14 U6.33 | length 25.1
  Top Layer w0.164: v1(118.6,101.275) 118.6,101.352 118.693,101.446 118.693,101.868 U6.33@118.7,101.875
  Bottom Layer w0.164: v1(118.6,101.275) 121.206,103.881 125.168,103.881 125.667,104.38 129.438,104.38 137.117,112.059 J1.14@138.625,112.059
ETH_1000M_LED: J1.11 U6.34 | length 21.8
  Top Layer w0.164: U6.34@119.1,101.875 119.1,101.565 119.194,101.471 119.194,101.292 v1(119.249,101.237)
  Bottom Layer w0.164: v1(119.249,101.237) 119.929,100.556 125.609,100.556 126.193,99.972 129.873,99.972 131.886,97.958 135.122,97.958 136.014,98.851 J1.11@138.625,98.851
ETH_MDC: U1.D10 U6.13 | length 34.7
  Top Layer w0.164: U6.13@120.7,106.725 120.7,107.015 121.385,107.7 v1(121.4,107.7)
  Layer 4 w0.13: v1(102.488,97.681) 102.488,97.632 102.108,97.252 102.108,96.724 103.091,95.741 104.691,95.741 104.731,95.701 105.845,95.701 106.088,95.944 106.088,96.219 106.331,96.461 112.206,96.461 112.307,96.563 115.485,96.563 116.042,97.12 116.157,97.12 120.02,100.983 120.02,101.408 120.543,101.93 120.737,101.93 123.095,104.288 123.095,108.405 122.719,108.781 121.681,108.781 121.4,108.5 v1(121.4,107.7)
ETH_MDI0_N: J1.P3 U6.2 | length 5.9
  Top Layer w0.11: U6.2@122.125,102.9 122.449,102.9 122.531,102.818 122.768,102.818 123.237,102.35 123.237,101.6 123.737,101.1 125.3,101.1 125.5,101.3 125.5,101.556 J1.P3@124.782,102.275
ETH_MDI0_P: J1.P2 U6.1 | length 6.6
  Top Layer w0.11: U6.1@122.125,102.5 122.449,102.5 122.531,102.582 122.67,102.582 123,102.251 123,101.502 123.639,100.863 125.398,100.863 125.665,101.131 127.097,101.131 J1.P2@127.322,100.906
ETH_MDI1_N: J1.P7 U6.5 | length 13
  Top Layer w0.11: U6.5@122.125,104.1 122.449,104.1 122.531,104.018 123.151,104.018 123.533,103.637 125.537,103.637 126.737,104.837 128.337,104.837 128.8,105.3 128.8,106.3 127.745,107.355 J1.P7@124.782,107.355
ETH_MDI1_P: J1.P4 U6.4 | length 12
  Top Layer w0.11: U6.4@122.125,103.7 122.449,103.7 122.531,103.782 123.053,103.782 123.435,103.4 125.635,103.4 126.835,104.6 128.435,104.6 128.967,105.133 129.467,105.133 129.6,105 129.6,103.9 129.146,103.446 J1.P4@127.322,103.446
ETH_MDI2_N: J1.P6 U6.7 | length 6.1
  Top Layer w0.11: U6.7@122.125,104.9 122.449,104.9 122.531,104.818 123.141,104.818 124.01,105.687 124.01,105.688 124.558,106.237 125.498,106.237 125.912,105.823 127.159,105.823 J1.P6@127.322,105.986
ETH_MDI2_P: J1.P5 U6.6 | length 5.7
  Top Layer w0.11: U6.6@122.125,104.5 122.449,104.5 122.531,104.582 123.239,104.582 124.246,105.588 124.246,105.59 124.656,106 125.4,106 125.745,105.655 125.745,105.564 124.995,104.815 J1.P5@124.782,104.815
ETH_MDI3_N: J1.P9 U6.10 | length 7
  Top Layer w0.11: U6.10@122.125,106.1 122.449,106.1 122.531,106.018 122.67,106.018 122.801,106.15 122.801,107.801 123.737,108.737 125.437,108.737 125.6,108.9 125.6,109.076 J1.P9@124.782,109.895